# Altium PCB PCB - 焊接图.PcbDoc (continued)
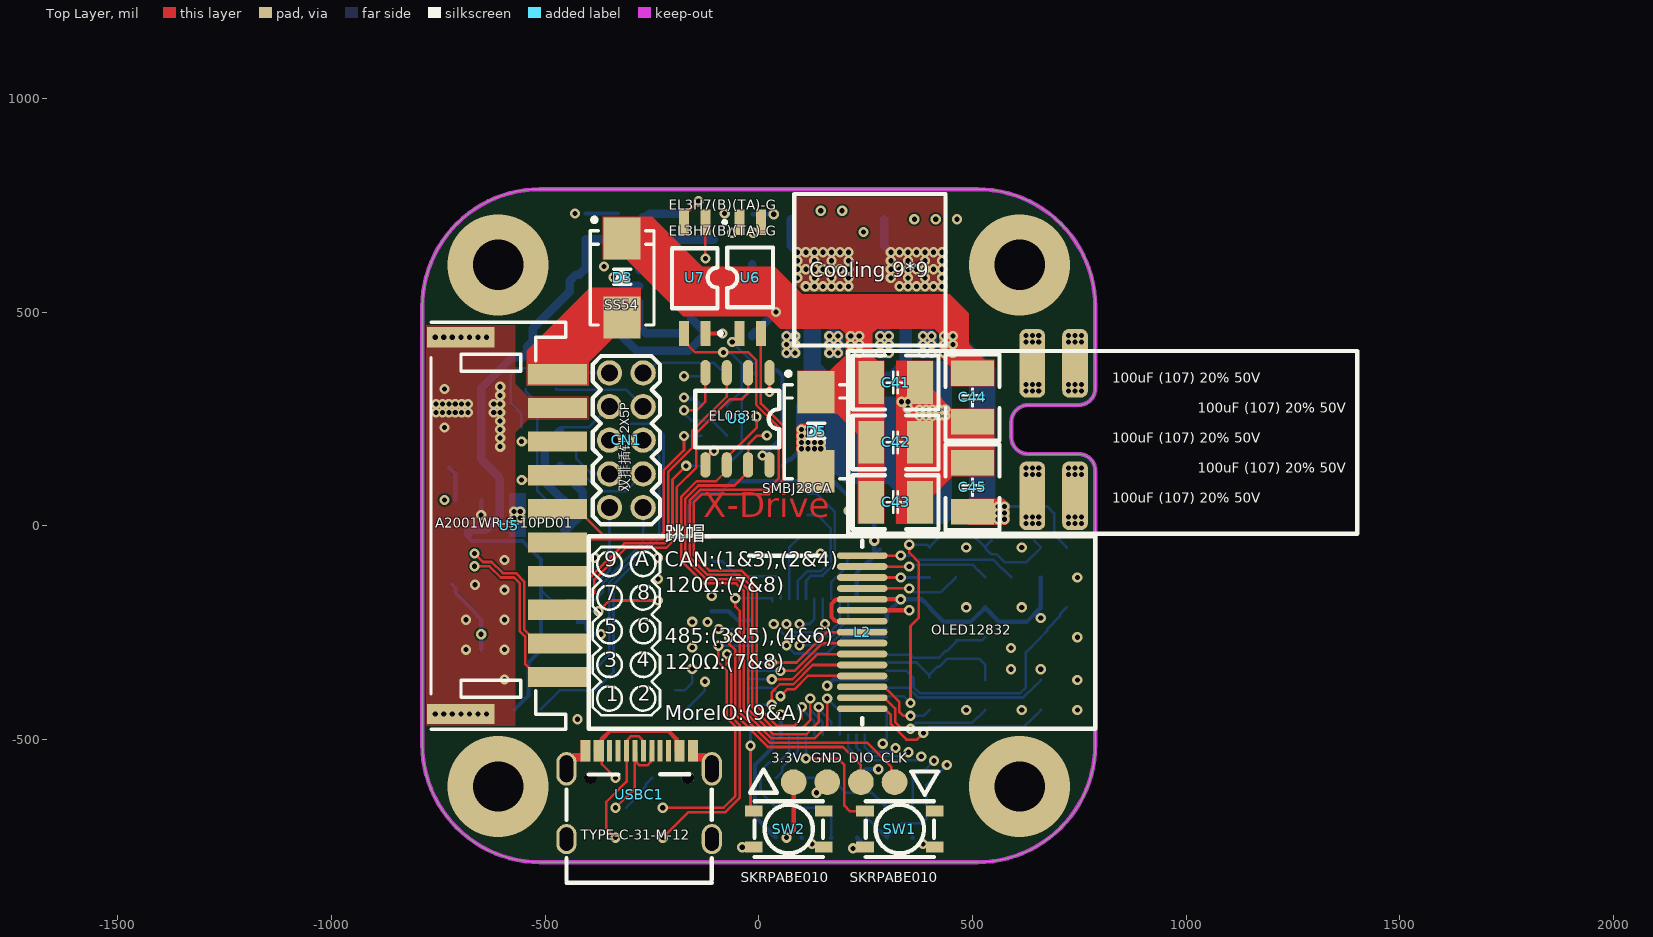
[diagram p0: Top Layer view]
## Part data
C1 C2: library part "0603 20pF (200) 5% 50V", "贴片电容", Package=0603, SuppliersPartNumber=C1648, ComponentLink1Description=供应商链接, ComponentLink1URL=http://www.szlcsc.com/product/details_2000.html, Supplier=LC
C3 C4 C5 C6 C7 C8 C9 C10 C11 C12 C13 C14 C16 C17 C18 C19 C21 C22 C27 C29: library part "0603 100nF (104) 10% 50V", "贴片电容", Package=0603, SuppliersPartNumber=C14663, ComponentLink1Description=供应商链接, ComponentLink1URL=http://www.szlcsc.com/product/details_15331.html, Supplier=LC
C15 C23 C28 C30 C35 C36 C37 C38: library part "0603 10uF (106) 10% 10V", "贴片电容", Package=0603, SuppliersPartNumber=C19702, ComponentLink1Description=供应商链接, ComponentLink1URL=http://www.szlcsc.com/product/details_20411.html, Supplier=LC
C20: library part "0603 100pF (101) 5% 50V", "贴片电容", Package=0603, SuppliersPartNumber=C14858, ComponentLink1Description=供应商链接, ComponentLink1URL=http://www.szlcsc.com/product/details_15530.html, Supplier=LC
C24: library part "1206 10uF (106) 10% 50V", "贴片电容", Package=1206, SuppliersPartNumber=C13585, ComponentLink1Description=供应商链接, ComponentLink1URL=http://www.szlcsc.com/product/details_14236.html, Supplier=LC
C25: library part "1206 4.7uF (475) 10% 50V", "贴片电容", Package=1206, SuppliersPartNumber=C29823, ComponentLink1Description=供应商链接, ComponentLink1URL=http://www.szlcsc.com/product/details_30577.html, Supplier=LC
C31 C32 C33 C34: library part "0603 1uF (105) 10% 50V", "贴片电容", Package=0603, SuppliersPartNumber=C15849, ComponentLink1Description=供应商链接, ComponentLink1URL=http://www.szlcsc.com/product/details_16531.html, Supplier=LC
C41 C42 C43 C44 C45 C46 C47 C48: library part Cap, "贴片电容", LatestRevisionDate=17-Jul-2002, LatestRevisionNote="Re-released for DXP Platform.", PackageDescription="Radial Cap, Thru-Hole; 2 Leads; 0.3 in Pin Spacing", PackageReference=RAD-0.3, Published=8-Jun-2000, Publisher="Altium Limited"
CN1: library part A2005WV-2X5P, "双排插针-2.0mm", BOM_Manufacturer="Changjiang Connectors", BOM_Manufacturer Part=A2005WV-2x5P, BOM_Supplier=LCSC, BOM_Supplier Part=C225290, Contributor=LCSC, spicePre=C, spiceSymbolName=A2005WV-2X5P
D1 D2: "双向ESD", BOM_Manufacturer=SINO-IC, BOM_Manufacturer Part=SESD3Z12C, BOM_Supplier=LCSC, BOM_Supplier Part=C355241, Contributor=LCSC, spicePre=D, spiceSymbolName=SESD3Z12C
D3: library part "SMA(DO-214AC) SS54", "二极管", Package=SMA(DO-214AC), SuppliersPartNumber=C22452, ComponentLink1Description=供应商链接, ComponentLink1URL=http://www.szlcsc.com/product/details_23178.html, Supplier=LC
D4 D6: library part "SOD-323 1N4148WS T4", "二极管", Package=SOD-323, SuppliersPartNumber=C2128, ComponentLink1Description=供应商链接, ComponentLink1URL=http://www.szlcsc.com/product/details_2485.html, Supplier=LC
D5: library part "SMB/DO-214AA P6SMB6.8CA", "TVS", Package=SMB/DO-214AA, SuppliersPartNumber=C78395, ComponentLink1Description=供应商链接, ComponentLink1URL=http://www.szlcsc.com/product/details_79530.html, Supplier=LC
F1 F2: library part "Fuse 2", "自恢复保险丝 200mA", LatestRevisionDate=17-Jul-2002, LatestRevisionNote="Re-released for DXP Platform.", PackageDescription="Thru-Hole; 2 Leads", PackageReference=PIN-W2/E2.8, Published=8-Jun-2000, Publisher="Altium Limited"
F3: library part "Fuse 2", "自恢复保险丝 500mA", LatestRevisionDate=17-Jul-2002, LatestRevisionNote="Re-released for DXP Platform.", PackageDescription="Thru-Hole; 2 Leads", PackageReference=PIN-W2/E2.8, Published=8-Jun-2000, Publisher="Altium Limited"
L1: library part IND, "贴片电感"
R1 R2 R9 R24: library part "0603 10KΩ (1002) 1%", "贴片电阻", Package=0603, SuppliersPartNumber=C25804, ComponentLink1Description=供应商链接, ComponentLink1URL=http://www.szlcsc.com/product/details_26547.html, Supplier=LC
R3 R4 R6 R7 R10 R14 R15 R17 R25: library part "0603 1KΩ (1001) 1%", "贴片电阻", Package=0603, SuppliersPartNumber=C21190, ComponentLink1Description=供应商链接, ComponentLink1URL=http://www.szlcsc.com/product/details_21904.html, Supplier=LC
R5 R8: library part "1206 0.1Ω (R100) 1%", "贴片电阻", Package=1206, SuppliersPartNumber=C25334, ComponentLink1Description=供应商链接, ComponentLink1URL=http://www.szlcsc.com/product/details_26077.html, Supplier=LC
R11 R13 R16 R18: library part "0603 200Ω (2000) 1%", "贴片电阻", Package=0603, SuppliersPartNumber=C8218, ComponentLink1Description=供应商链接, ComponentLink1URL=http://www.szlcsc.com/product/details_8708.html, Supplier=LC
R12: library part "0805 120Ω (1200) 1%", "贴片电阻", Package=0805, SuppliersPartNumber=C17437, ComponentLink1Description=供应商链接, ComponentLink1URL=http://www.szlcsc.com/product/details_18125.html, Supplier=LC
R19 R20: library part "0603 22Ω (22R0) 1%", "贴片电阻", Package=0603, SuppliersPartNumber=C23345, ComponentLink1Description=供应商链接, ComponentLink1URL=http://www.szlcsc.com/product/details_24078.html, Supplier=LC
R21: library part "0603 1.5KΩ (1501) 1%", "贴片电阻", Package=0603, SuppliersPartNumber=C22843, ComponentLink1Description=供应商链接, ComponentLink1URL=http://www.szlcsc.com/product/details_23570.html, Supplier=LC
R22 R23: library part "0603 12KΩ (1202) 1%", "贴片电阻", Package=0603, SuppliersPartNumber=C22790, ComponentLink1Description=供应商链接, ComponentLink1URL=http://www.szlcsc.com/product/details_23517.html, Supplier=LC
R26: library part "0603 1MΩ (1004) 1%", "贴片电阻", Package=0603, SuppliersPartNumber=C22935, ComponentLink1Description=供应商链接, ComponentLink1URL=http://www.szlcsc.com/product/details_23662.html, Supplier=LC
R27: library part "0603 2MΩ (2004) 1%", "贴片电阻", Package=0603, SuppliersPartNumber=C22976, ComponentLink1Description=供应商链接, ComponentLink1URL=http://www.szlcsc.com/product/details_23703.html, Supplier=LC
SW1 SW2: "4脚贴片按键", BOM_Manufacturer=ALPS, BOM_Manufacturer Part=SKRPABE010, BOM_Supplier=LCSC, BOM_Supplier Part=C115360, spicePre=S, spiceSymbolName=SKRPABE010
U1: "STM32 ARM-based 32-bit MCU Performance Line with 128 kB Flash, 20 kB Internal RAM, -40 to +85癈 Temperature, 48-Pin LQFP, Tray", ComponentLink1Description="Manufacturer URL", ComponentLink1URL=http://www.st.com/, ComponentLink2Description="STM32F103 Datasheet", ComponentLink2URL=http://www.st.com/internet/com/TECHNICAL_RESOURCES/TECHNICAL_LITERATURE/DATASHEET/CD00161566.pdf, ComponentLink3Description="STM32 Family Web Page", ComponentLink3URL=www.st.com/stm32, DatasheetVersion="rev13.0, Apr-2011", PackageDescription="48-Pin Low-Profile Quad Flat Pack, 7 x 7 mm Body, 0.5 mm Pitch (LQFP48)", PackageReference=LQFP48, PackageVersion="rev13, Apr-2011"
U2 U3: library part A4950ELJTR-T, "直流电机驱动器", BOM_LCSC Assembly=Yes, BOM_Manufacturer=ALLEGRO, BOM_Manufacturer Part=A4950ELJTR-T, BOM_Supplier=LCSC, BOM_Supplier Part=C82404, SMT Type=Extend, spicePre=U, spiceSymbolName=A4950ELJTR-T
U4: "磁角度传感器"
U5: "贴片PH2.0插座", BOM_Manufacturer=HR, BOM_Manufacturer Part=A2001WR-S-10PD01, BOM_Supplier=LCSC, BOM_Supplier Part=C278796, Contributor=LCSC, spicePre=U
U6 U7: library part EL357N(A)(TA)-G, "光耦", BOM_LCSC Assembly=Yes, BOM_Manufacturer=EVERLIGHT, BOM_Manufacturer Part=EL357N(A)(TA)-G, BOM_Supplier=LCSC, BOM_Supplier Part=C142286, Contributor=LCSC, SMT Type=Extend, spicePre=U, spiceSymbolName=EL357N(A)(TA)-G
U8: library part TLP2160(TP,F), "光耦", BOM_Manufacturer=TOSHIBA, BOM_Manufacturer Part=TLP2160(TP,F), BOM_Supplier=LCSC, BOM_Supplier Part=C393887, Contributor=LCSC, spicePre=U, spiceSymbolName=TLP2160(TP,F)
U9: library part SN75176BDR_[C7063], "RS-485/RS-422", Package=SOIC-8_150mil, SuppliersPartNumber=C7063, ComponentLink1Description=供应商链接, ComponentLink1URL=http://www.szlcsc.com/product/details_7535.html, Supplier=LC
U10: library part CAN/TJA1051T/3_[C38695], "CAN", Package=SOIC-8_150mil, SuppliersPartNumber=C38695, ComponentLink1Description=供应商链接, ComponentLink1URL=http://www.szlcsc.com/product/details_39678.html, Supplier=LC
U11: library part MP2451DT-LF-Z_[C14123], "DC-DC芯片", Package=SOT-23-6, SuppliersPartNumber=C14123, ComponentLink1Description=供应商链接, ComponentLink1URL=http://www.szlcsc.com/product/details_14780.html, Supplier=LC
USBC1: "TYPE-C USB插座", BOM_Manufacturer="Rectangular Connectors - Contacts", BOM_Manufacturer Part=TYPE-C-31-M-12, BOM_Supplier=LCSC, BOM_Supplier Part=C165948, Contributor=LCSC, spicePre=U, spiceSymbolName=TYPE-C-31-M-12
VR1: library part "SOT-23 XC6206P332MR", "低压差线性稳压(LDO)", Package=SOT-23, SuppliersPartNumber=C5446, ComponentLink1Description=供应商链接, ComponentLink1URL=http://www.szlcsc.com/product/details_5896.html, Supplier=LC
Y1: library part "SMD-3225_4P  12MHZ 20PF 10PPM", "贴片晶振", Package=SMD-3225_4P, SuppliersPartNumber=C9002, ComponentLink1Description=供应商链接, ComponentLink1URL=http://www.szlcsc.com/product/details_9522.html, Supplier=LC

## Free pads (board coordinates)
  rrect50% 60x160 smd: 3(640,70) 3(640,380) 3(740,70) 3(740,380)
  round 20 on Mid2 mask+4: 4(160,-65)
  round 60 smd: ""(81.43,-600) ""(160.17,-600) ""(238.91,-600) ""(317.65,-600)

## Via types
v1: diameter 24, hole 12, Top Layer to Bottom Layer, tented both sides, 340 vias
v2: diameter 236.22, hole 118.11, Top Layer to Bottom Layer, 4 vias

## Nets (pads, with @x,y where several pads share a name; then routed paths per layer and width w, separated by ;. In a path a pad name is that pad's centre, name@x,y a point inside that pad or via, vN(x,y) a via of type N, cw(c..) or ccw(c..) an arc to the next point about the centre after c; other vN are vias at no path point)
485_A: CN1.5 R23.1 U9.6 | length 963.7
  Bottom Layer w6: R23.1 -509.69,-429.02 -465.67,-385 U9.6 -382.56,-385 -340,-342.44 -340,-137.43 -223,-20.43 -223,213 -249,239 -310.37,239 CN1.5
485_B: CN1.6 R22.1 U9.7 | length 750.6
  Bottom Layer w6: R22.1 -509.69,-359.02 -494.38,-343.71 -493.39,-343.71 -484.69,-335 U9.7 -382.56,-335 -350,-302.44 -350,-133.28 -233,-16.28 -233,162.37 CN1.6
ALERT+: U5.9 U6.4 | length 1537.9
  Top Layer w6: v1(-665,-65) -645,-85 -625,-85 -598.82,-111.18 -588.68,-111.18 -568.68,-111.18 -549,-130.86 -549,-150.86 -549,-242.71 -516.12,-275.59 U5.9
  Layer 1 w6: v1(-665,-65) -625.32,-65 -581.46,-21.14 -534.92,-21.14 -505,8.78 -505,62.14 -441,126.14 -441,402.39 -399.89,443.5 -221.64,443.5 -195,470.14 -195,615.5 -152,658.5 -89.8,658.5 v1(-63,685.3)
ALERT-: U5.10 U6.3 | length 1687.8
  Top Layer w6: v1(-665,-95) -630.05,-95 -603.87,-121.18 -572.82,-121.18 -559,-135 -559,-247.24 -547,-259.24 -547,-323.45 -516.12,-354.33 U5.10 ; U6.3@-3.81,736.82 5,728.01 U6.3
  Layer 1 w6: v1(-665,-95) -645,-75 -621,-75 -577.14,-31.14 -530.78,-31.14 -495,4.64 -495,58 -431,122 -431,398.24 -395.74,433.5 -217.5,433.5 -185,466 -185,610 -146.5,648.5 -49.8,648.5 v1(-13,685.3)
BOOT0: R1.1 U1.44 | length 109.9
  Bottom Layer w6: U1.44 169.53,-131.49 207,-94.02 207,-80 R1.1@209.69,-77.31
BUTTON_DOWN: SW1.4 U1.20 | length 304.6
  Top Layer w6: v1(110,-545) 184.77,-545 200,-560.23 200,-655 212.68,-667.68 SW1.4
  Bottom Layer w6: v1@110.47,-549.45 U1.20
BUTTON_UP: SW2.4 U1.25 | length 232.6
  Top Layer w6: v1(-19.45,-515) -19.45,-659.92 SW2.4
  Bottom Layer w6: v1(-19.45,-515) U1.25
CAN_H: CN1.1 U10.7 | length 230.2
  Bottom Layer w6: U10.7 -370,-125 -349.37,-104.37 CN1.1
CAN_L: CN1.2 U10.6 | length 304.2
  Bottom Layer w6: U10.6 -384.8,-175 -365,-155.2 -365,-134.14 -270.63,-39.77 CN1.2
CAN_RX: U1.45 U10.4 | length 452.4
  Layer 1 w6: v1(-155.83,-225) -137.14,-206.32 -102.68,-206.32 -79,-230 -70.14,-230 -50.14,-250 45,-250 v1(65,-230)
  Bottom Layer w6: v1(65,-230) 84,-249 166.86,-249 189.21,-226.65 U1.45
CAN_SILENT: U1.2 U10.8 | length 915.5
  Layer 1 w6: v1(-384.17,-75) -364.17,-55 -212.86,-55 -185,-82.86 -185,-169.86 -169.79,-185.07 -86.79,-185.07 -61.86,-210 105,-210 115,-220 115,-260 v1(95,-280)
  Bottom Layer w6: v1(95,-280) 164.14,-280 202.72,-241.42 U1.2
CAN_TX: U1.46 U10.1 | length 638.2
  Layer 1 w6: v1(-235.83,-75) -207,-75 -195,-87 -195,-174 -172.68,-196.32 -89.69,-196.32 -66,-220 -56,-230 v1(35,-230)
  Bottom Layer w6: v1(35,-230) 64,-259 171,-259 208.9,-221.1 U1.46
COM_H: CN1.9 F1.2 U5.3 | length 472.9
  Top Layer w10: v1(-555,197) -470.99,197 U5.3
  Bottom Layer w6: F1.2 -555.99,230.99 -555.99,262.99 -580,287 -580,354 -566,368 -443.5,368 -432.91,357.41 -349.44,357.41 CN1.9 CN1.9@-358.89,367
COM_L: F2.2 U5.4 U7.2 | length 1128.9
  Top Layer w6: U7.2@-175,725.27 -175,728.01 -166.19,736.82 -163.45,736.82 v1(-141,759.27)
  Top Layer w10: v1(-555,107) -481.95,107 U5.4 ; U7.2 U7.2@-175,725.27
  Layer 1 w6: v1(-555,107) -474.28,107 -451,130.28 -451,385.5 -451,406.53 -404.03,453.5 -382.78,453.5 -225.78,453.5 -205,474.28 -205,619.64 -141,683.64 v1(-141,759.27)
DIR+: R16.1 U5.7 | length 519.3
  Top Layer w6: U5.7 -391.14,-118.11 -314.61,-41.57 -220.43,-41.57 -202,-23.14 -202,108 v1(-170,140)
  Bottom Layer w6: v1(-170,140) R16.1
DIR-: U5.8 U8.2 | length 837.5
  Top Layer w6: U5.8 -450.22,-176.23 -404.95,-176.23 -384.8,-156.09 -384.8,-125.91 -310.46,-51.57 -216.29,-51.57 -192,-27.28 -192,90.14 -146,136.14 -146,217 -67,296 -39,296 -25,310 U8.2
DM: R19.2 USBC1.A7 USBC1.B7 | length 327.2
  Top Layer w6: v1(-335.32,-730) -357,-708.32 -357,-646 -309.53,-598.53 USBC1.B7 ; USBC1.B7@-309.69,-526.56 -306.62,-523.49 -306.62,-500.07 -299,-492.44 -281,-492.44 -273.06,-500.38 -273.06,-523.82 USBC1.A7
DP: R20.2 R21.2 USBC1.A6 USBC1.B6 | length 342.5
  Top Layer w6: v1(-335.32,-660) -289.84,-614.52 USBC1.A6 -286.94,-529.63 -286.94,-553.06 -279,-561 -261,-561 -253.38,-553.38 -253.38,-529.95 USBC1.B6@-250.31,-526.88
  Bottom Layer w6: R20.2 -295.01,-644.69 -295.01,-640.01 -264.99,-609.99 -264.99,-605.31 R21.2
ENA+: CN1.10 R13.1 | length 219.1
  Bottom Layer w6: CN1.10 -263.18,357.48 -239.66,381 -104.7,381 -74.69,350.98 R13.1
GND: C1.1 C2.1 C3.2 C4.1 C5.1 C6.1 C7.1 C8.1 C9.1 C10.1 C11.1 C12.1 C13.1 C14.2 C15.2 C16.2 C17.2 C18.2 C22.1 C23.1 C24.1 C25.2 C27.1 C28.1 C29.1 C30.1 C33.1 C34.1 C35.1 C36.1 C37.1 C38.1 C41.1 C42.1 C43.1 C44.1 C45.1 C46.1 C47.1 C48.1 D1.1 D2.1 D4.1 D5.1 L2.6 pad.4 pad.@160.17,-600 R1.2 R5.2 R8.2 R10.2 R14.1 R22.2 R25.1 R27.1 SW1.1 SW1.2 SW2.1 SW2.2 U1.8 U1.23 U1.35 U1.47 U2.1 U2.9 U3.1 U3.9 U4.8 U5.0 U5.2 U8.5 U9.5 U10.2 U11.2 USBC1.0 USBC1.A1 USBC1.A12 USBC1.B1 USBC1.B12 VR1.1 | length 1432.7
  Top Layer w10: U8.5 -125,157.66 -107.54,175.13 v1(-105,175.13) ; USBC1.0@-109.92,-737.75 USBC1.0@-95.35,-752.33 ; L2.6 v1(352,-197.95)
  Top Layer w20: USBC1.0@-450.08,-568.75 -450.08,-560.37 -432.02,-542.31 USBC1.A1@-415.98,-542.31 ; USBC1.A12@-144.02,-542.31 -127.98,-542.31 USBC1.0@-109.92,-560.37 ; USBC1.0@-109.92,-737.75 USBC1.0@-109.92,-733.32
  Bottom Layer w6: v1(-94.01,-241.85) -93.8,-241.63 -19.67,-241.63 U1.35 ; U1.23@50.98,-489.02 U1.23
  Bottom Layer w10: v1(-649.68,25) C17.2 ; C23.1 C22.1 ; v1(-175.31,300) -172.64,297.32 -152.64,297.32 -149.61,294.29 -148.62,294.29 -135.31,280.98 R14.1 ; USBC1.0@-109.92,-733.32 -109.92,-735.05 -92.72,-752.25 USBC1.0@-90.99,-752.25 ; C25.2 v1(35,728.66) ; U1.23@51.42,-492 U1.23 v1(51.42,-442) ; C15.2 55.32,140.98 68.62,154.29 74.29,154.29 v1(100,180) ; C6.1@100.32,-730.98 C6.1 ; v1(159.84,-374.45) 174.76,-359.53 U1.8 ; U1.47 228.93,-170.2 228.93,-110.81 255.45,-84.29 257.01,-84.29 270.03,-71.27 270.03,-69.3 R1.2@270.32,-69.02 ; C11.1 230.32,-730.98 C11.1@243.62,-744.29 ; C9.1 230.32,-589.02 243.62,-575.71 244.61,-575.71 250.32,-570 v1(279.68,-570) ; R1.2 R1.2@270.32,-69.02 ; C37.1 C13.1 v1(270.32,-35) R1.2@270.32,-69.02 ; R1.2@283.62,-55.71 R1.2@270.32,-69.02 ; C12.1@360.32,-730.98 C12.1
  Bottom Layer w20: v1(-340,581.46) -338.92,581.46 -319.27,561.81 -281.93,561.81 U11.2 ; U3.1 75,655 v1(90,640) ; U2.1 294,655 v1(309,640)
  other v1: 220.58,-755 -38.69,-752.33 124.32,-745 384,-745 135,-625 -424.17,-453 -757.22,-440.94 -737.22,-440.94 -717.22,-440.94 -697.22,-440.94 -677.22,-440.94 -657.22,-440.94 -637.22,-440.94 485.31,-431 615.32,-431 745.32,-431 745.32,-361 -595.32,-360 590.32,-336 -685,-290 -595.32,-290 590.32,-286 745.32,-261 -685,-220 -595.32,-220 485.32,-191 615.32,-191 -110,-164.68 -595.27,-150.04 -664,-138.07 -235.83,-125 745.32,-121 -595.32,-80 144.17,-65 485.31,-51 615.32,-51 -573.12,18 -558.12,18 -573.12,33 -558.12,33 115,180 130,180 145,180 -605.32,185 100,195 115,195 130,195 145,195 -605.32,205 100,210 115,210 -605.32,225 100,225 115,225 -735.32,230 -605.32,245 376,257 391,257 406,257 421,257 436,257 -755.32,265 -740.32,265 -725.32,265 -710.32,265 -695.32,265 -680.32,265 -620.32,265 -605.32,265 376,272 391,272 406,272 421,272 436,272 348.66,275 -755.32,285 -740.32,285 -725.32,285 -710.32,285 -695.32,285 -680.32,285 -620.32,285 -605.32,285 333.66,290 348.66,290 -605.32,305 -735.32,320 -605.32,325 -757.22,440.94 -737.22,440.94 -717.22,440.94 -697.22,440.94 -677.22,440.94 -657.22,440.94 -637.22,440.94 110,560 130,560 150,560 170,560 190,560 210,560 329,560 349,560 369,560 389,560 409,560 429,560 90,580 130,580 170,580 210,580 309,580 349,580 389,580 429,580 90,600 110,600 130,600 150,600 170,600 190,600 210,600 309,600 329,600 349,600 369,600 389,600 409,600 429,600 -362,606.46 90,620 130,620 170,620 210,620 309,620 349,620 389,620 429,620 110,640 130,640 150,640 170,640 190,640 210,640 329,640 349,640 369,640 389,640 409,640 429,640 -430,730.32 -80,730.31
IN_AM: U1.14 U2.2 | length 1959.9
  Layer 1 w6: v1(350,-530) 346.65,-526.65 346.65,-515.65 310,-479 310,-308.28 400,-218.28 400,-4.72 156.28,239 -21,416.28 -21,608.72 77.28,707 206,707 216,717 v1(364,717)
  Bottom Layer w6: U1.14 228.58,-518.98 248.82,-539.21 340.79,-539.21 v1(350,-530)
IN_AP: U1.15 U2.3 | length 2077.9
  Layer 1 w6: v1(380,-540) 376.56,-536.56 376.56,-528.56 320,-472 320,-312.43 410,-222.43 410,-0.57 160.43,249 -11,420.43 -11,604.57 81.43,697 210.14,697 220.14,707 268,707 278,697 394,697 v1(414,717)
  Bottom Layer w6: U1.15 208.9,-518.98 239.13,-549.21 370.79,-549.21 v1(380,-540)
IN_BM: U1.12 U3.2 | length 1650
  Layer 1 w6: v1(145,737) 79,737 -41,617 -41,408 148,219 222,145 380,-13 380,-210 290,-300 v1(290,-510)
  Bottom Layer w6: v1(290,-510) 290,-506.93 299.45,-497.49 U1.12
IN_BP: U1.13 U3.3 | length 1739.2
  Layer 1 w6: v1(195,737) 175,717 73.14,717 -31,612.86 -31,412.14 -18.28,399.42 152.14,229 390,-8.86 390,-214.14 300,-304.14 300,-483.14 316.56,-499.7 316.56,-516.56 v1(320,-520)
  Bottom Layer w6: U1.13 248.27,-518.37 259.11,-529.21 310.79,-529.21 v1(320,-520)
IN_PWM_A: R6.1 U1.22 | length 226
  Bottom Layer w6: R6.1 39.69,-659.02 4,-623.33 4,-573.97 23.97,-554 46,-554 71.1,-528.9 U1.22
IN_PWM_B: R3.1 U1.21 | length 121.7
  Bottom Layer w6: R3.1 54.99,-574.69 54.99,-565.01 90.79,-529.21 U1.21
MES_H: CN1.3 CN1.7 D1.2 F1.1 | length 520
  Bottom Layer w6: CN1.3 -391.26,121.26 -427.5,157.5 -427.5,192.5 -440.89,205.89 -448,205.89 -465,222.89 F1.1 -398.11,230 CN1.7
  Bottom Layer w20: F1.1@-465,222.5 -501,186.5 -501,102.18 -458.82,60 D1.2
MES_L: CN1.4 D2.2 F2.1 R12.1 | length 794.9
  Bottom Layer w6: R12.1 -545.04,313.9 -518,286.86 -518,81.12 -454.88,18 D2.2 ; F2.1 -430.26,140 -371.26,81 -310.89,81 CN1.4
  Bottom Layer w20: F2.1 -465,132.5 -412,79.5 -412,28.94 -450.94,-10 D2.2
MT6816_CS: U1.38 U4.1 | length 230.4
  Bottom Layer w6: U4.1 -105.36,-83.81 -84.49,-83.81 -50.3,-118 42,-118 51.42,-127.42 U1.38
NetC9_2: C9.2 R3.2 R4.1 | length 229.5
  Bottom Layer w6: R3.2 C9.2 ; C9.2@169.68,-590.98 203.7,-625 264.69,-625 R4.1@285.39,-645.71
  Bottom Layer w10: C9.2@169.68,-590.98 C9.2 ; R4.1@285.39,-645.71 286.38,-645.71 299.69,-659.02 R4.1
NetC11_2: C11.2 R6.2 R7.1 | length 139.4
  Bottom Layer w6: R6.2 R7.1 C11.2
NetC19_1: C19.1 C21.1 U11.1 | length 158.4
  Bottom Layer w20: U11.1 -280.12,466.42 -264.68,450.98 C19.1 C21.1
NetC19_2: C19.2 C21.2 D4.2 L1.1 U11.6 | length 498.2
  Bottom Layer w20: L1.1 -418.75,451.25 -326.57,451.25 C19.2 ; D4.2 -340,510.2 -325.32,495.51 C19.2 ; U11.6 -160.04,522.6 -158.23,520.79 -158.23,484.53 -124.68,450.98 C21.2 -124.68,449.02 -164.7,409 -285.3,409 -325.32,449.02 C19.2
NetC20_2: C20.2 R24.1 R25.2 U11.3 | length 234.2
  Bottom Layer w20: U11.3 -280.12,645.55 -255.98,669.68 C20.2 ; C20.2@-254,669.68 C20.2 ; R25.2 C20.2
NetC25_1: C25.1 D6.2 R26.1 U11.5 | length 245.1
  Bottom Layer w20: U11.5 -168.07,558.19 -134.49,558.19 -105.98,529.69 R26.1 -101.61,533.07 -18.39,533.07 D6.2 C25.1
NetC31_1: C31.1 L2.2 | length 302.6
  Top Layer w6: L2.2 v1(352,-95.59)
  Bottom Layer w6: v1(352,-95.59) 355.44,-92.15 363.37,-92.15 364.51,-91 499.68,-91 513.39,-104.71 514.38,-104.71 529.68,-120.02 C31.1
NetC31_2: C31.2 L2.1 | length 370
  Top Layer w6: L2.1 v1(332,-70)
  Bottom Layer w6: v1(332,-70) 361.22,-70 371.22,-80 549.32,-80 574.02,-104.71 575.01,-104.71 590.32,-120.02 C31.2
NetC32_1: C32.1 L2.4 | length 237.2
  Top Layer w6: L2.4 v1(352,-146.77)
  Bottom Layer w6: v1(352,-146.77) 355.29,-146.77 364.51,-156 425.32,-156 444.02,-137.29 445.01,-137.29 460.32,-121.98 C32.1
NetC32_2: C32.2 L2.3 | length 157.8
  Top Layer w6: L2.3 v1(332,-121.18)
  Bottom Layer w6: v1(332,-121.18) 399.5,-121.18 C32.2
NetC33_2: C33.2 L2.14 | length 355.4
  Top Layer w6: L2.14 294.25,-402.68 319,-427.43 319,-459.86 334,-474.86 354.86,-474.86 v1(355,-475)
  Bottom Layer w6: v1(355,-475) 369,-461 499.68,-461 513.39,-447.29 514.38,-447.29 529.68,-431.98 C33.2
NetC34_2: C34.2 L2.15 | length 482.5
  Top Layer w6: L2.15 294.25,-428.27 309,-443.02 309,-464 345.38,-500.38 369.62,-500.38 v1(385,-485)
  Bottom Layer w6: v1@390,-481 400,-471 619.68,-471 643.39,-447.29 644.38,-447.29 659.68,-431.98 C34.2
NetCN1_8: CN1.8 R12.2 | length 221.4
  Bottom Layer w6: R12.2 -472.96,318 -309.89,318 CN1.8
NetL2_13: L2.13 R27.2 | length 205.5
  Top Layer w6: L2.13 294.09,-377.09 329,-412 329,-435.92 337.69,-444.61 354.61,-444.61 v1(355,-445) ; v1@356.56,-436.56 v1@360,-440
  Bottom Layer w6: v1@360,-445 385.68,-445 R27.2
NetR5_1: R5.1 U2.7 | length 174.7
  Bottom Layer w30: R5.1 297.24,345.91 310.91,345.91 344,379 U2.7
NetR8_1: R8.1 U3.7 | length 170.7
  Bottom Layer w40: U3.7 125,370.47 156.81,338.66 R8.1@170,338.66
NetR11_1: R11.1 U6.1 | length 126.2
  Bottom Layer w6: v1(-62.28,430) -7.05,374.78 -7.05,351.74 R11.1 -20.62,365.31 R11.1@-20.62,366.29
NetR13_2: R13.2 U7.1 | length 438.8
  Top Layer w6: v1(-125,625) U7.1
  Layer 1 w6: v1(-175,350) -175,605.86 -155.86,625 v1(-125,625)
  Bottom Layer w6: v1(-175,350) R13.2
NetR16_2: R16.2 U8.1 | length 288.1
  Top Layer w6: v1(25,313) U8.1
  Bottom Layer w6: R16.2 -74.68,140.98 -39.45,176.22 -39.45,298 -24.45,313 v1(25,313)
NetR18_2: R18.2 U8.4 | length 248.4
  Top Layer w6: v1(-175,270) -146,270 -125,291 U8.4
  Bottom Layer w6: v1@-175,263 -158,246 -109.7,246 -74.68,210.98 R18.2
NetR26_2: R26.2 U11.4 | length 67.8
  Bottom Layer w20: U11.4 -168.07,595.59 -110.28,595.59 R26.2
NRST: C3.1 R2.1 U1.7 | length 592.7
  Bottom Layer w6: U1.7 345.84,-339.84 362,-356 362,-377.9 376.1,-392 611.68,-392 625,-378.68 625,-296.67 659.68,-261.98 C3.1 674.99,-245.69 674.99,-241.4 705.01,-211.39 705.01,-206.31 R2.1
OLED_CS: L2.8 U1.31 | length 290.9
  Top Layer w6: v1(30.55,-320.16) 88.63,-320.16 159.66,-249.13 L2.8
  Bottom Layer w6: U1.31 v1(30.55,-320.16)
OLED_DC: L2.10 U1.29 | length 286
  Top Layer w6: v1(30.55,-359.53) 78.19,-359.53 137.4,-300.32 L2.10
  Bottom Layer w6: U1.29 v1(30.55,-359.53)
OLED_RES: L2.9 U1.30 | length 288.4
  Top Layer w6: v1(50.55,-339.84) 83.73,-339.84 148.85,-274.72 L2.9
  Bottom Layer w6: U1.30 v1(50.55,-339.84)
OSC_IN: C2.2 U1.5 Y1.3 | length 256.5
  Bottom Layer w6: U1.5 300.56,-301.58 354.59,-301.58 362,-309 421.58,-309 438.33,-292.25 441.86,-292.25 461.5,-272.61 Y1.3 522.99,-267.69 C2.2
OSC_OUT: C1.2 U1.6 Y1.1 | length 304.5
  Bottom Layer w6: U1.6 369.28,-320.16 Y1.1@398.5,-349.39 ; Y1.1 Y1.1@398.5,-349.39 ; C1.2 529.68,-325.18 515.97,-311.47 440.71,-311.47 422.44,-329.75 418.14,-329.75 Y1.1@398.5,-349.39
OUT_A+: pad.3@740,380 U2.6
  other v1: 725,315 740,315 755,315 725,330 740,330 755,330 384,404 404,404 384,424 404,424 725,430 740,430 755,430 384,444 404,444 725,445 740,445 755,445
OUT_A-: pad.3@640,380 U2.8
  other v1: 625,315 640,315 655,315 625,330 640,330 655,330 284,404 304,404 284,424 304,424 625,430 640,430 655,430 284,444 304,444 625,445 640,445 655,445
OUT_B+: pad.3@640,70 U3.6
  other v1: 625,5 640,5 655,5 625,20 640,20 655,20 625,120 640,120 655,120 625,135 640,135 655,135 165,404 185,404 165,424 185,424 165,444 185,444
OUT_B-: pad.3@740,70 U3.8
  other v1: 725,5 740,5 755,5 725,20 740,20 755,20 725,120 740,120 755,120 725,135 740,135 755,135 65,404 85,404 65,424 85,424 65,444 85,444
POWER_I: U1.11
POWER_U: C14.1 R9.2 R10.1 U1.10 | length 862.1
  Top Layer w6: v1(352,-44.41) 352,-63 374.68,-85.68 374.68,-215.32 355,-235 v1(355,-415)
  Bottom Layer w6: U1.10 338.9,-398.9 v1(355,-415) ; v1(352,-44.41) 393.09,-44.41 C14.1 399.68,-50.02 429.8,-19.9 498.58,-19.9 513.39,-34.71 514.38,-34.71 R10.1@529.69,-50.02 ; R10.1@544.99,-34.71 R10.1@529.69,-50.02 ; R9.2@644.38,-34.71 659.68,-50.02 R9.2 659.68,-51.98 625.67,-86 575.7,-86 556.99,-67.29 544.99,-67.29 529.69,-51.98 R10.1 R10.1@529.69,-50.02
PUL+: R18.1 U5.5 | length 556.2
  Top Layer w6: U5.5 -425.57,39.37 -364.62,-21.57 -228.72,-21.57 -222,-14.86 -222,130 -175,177 v1(-175,210)
  Bottom Layer w6: v1@-170.32,210 R18.1
PUL-: U5.6 U8.3 | length 700.9
  Top Layer w6: U5.6 -463.05,-31.57 -224.57,-31.57 -212,-19 -212,125.86 -156,181.86 -156,221.14 -75,302.14 U8.3
RS485_DIR: U1.3 U9.2 U9.3 | length 638.1
  Layer 1 w6: v1(-155.83,-335) -155.83,-362.17 -134,-384 -109.86,-384 -5.86,-280 v1(65,-280)
  Bottom Layer w6: U9.3 -173,-385 -155.83,-367.83 v1(-155.83,-335) ; v1(65,-280) 84,-299 159.28,-299 197.18,-261.1 U1.3
RS485_RX: U1.43 U9.1 | length 577.1
  Layer 1 w6: v1(-155.83,-285) -175,-304.17 -175,-357.14 -138.14,-394 -105.72,-394 -10.72,-299 105,-299 125,-279 125,-241 136,-230 v1(155,-230)
  Bottom Layer w6: U1.43 149.84,-224.84 v1(155,-230)
RS485_TX: U1.42 U9.4 | length 475.8
  Layer 1 w6: v1(-125.81,-364.92) -125.7,-364.81 -104.81,-364.81 0,-260 65,-260 v1(95,-230)
  Bottom Layer w6: U9.4 -175.16,-435 -126.08,-385.92 -126.08,-365.18 v1(-125.81,-364.92) ; v1(95,-230) 118.73,-230 130.16,-218.57 U1.42
SIGNAL_ALERT: U1.19 U6.2 | length 1442.5
  Top Layer w6: U6.2 5,286 57,234 57,107 24,74 -133,74 -152,55 -152,-68.75 -115.75,-105 -40.57,-105 -5,-140.57 -5,-421.01 41.79,-467.8 83.36,-467.8 100.79,-450.37 v1(100.79,-424.45)
  Bottom Layer w6: v1(100.79,-424.45) 100.79,-428.98 U1.19@130,-458.19 ; U1.19@130,-458.19 130,-489.29 U1.19 130.16,-458.35 U1.19@130,-458.19
SIGNAL_DIR: R15.2 U1.17 U8.7 | length 1176
  Top Layer w6: v1(18.8,210.88) 17.92,210 -5,210 -25,190 -25,126 -57,94 -117.84,94 -129.86,94 -141.28,94 -172,63.28 -172,51.86 -172,-77.04 -152,-97.04 -124.04,-125 -48.86,-125 -25,-148.86 -25,-429.29 33.51,-487.8 112.2,-487.8 140.16,-459.84 v1(140.16,-424.45)
  Bottom Layer w6: v1(140.16,-424.45) 140.16,-428.98 169.53,-458.35 U1.17@169.53,-465
SIGNAL_ENA: R14.2 U1.18 U7.3 | length 1804.9
  Top Layer w6: U7.3 -175,431.99 -148.72,405.7 v1(-83,405.7) -24.56,405.7 -6.19,387.33 -6.19,283.04 47,229.86 47,111.37 19.63,84 -125.72,84 -137.14,84 -162,59.14 -162,47.72 -162,-72.9 -142,-92.9 -119.9,-115 -44.72,-115 -15,-144.72 -15,-425.15 37.65,-477.8 97.2,-477.8 120.47,-454.53 v1(120.47,-404.45)
  Bottom Layer w6: v1(-83,405.7) -81.3,404 -65,404 -39.45,378.45 -39.45,316.22 -74.68,280.98 R14.2 ; v1(120.47,-404.45) 120.47,-431.63 149.84,-461 U1.18
SIGNAL_PUL: R17.2 U1.16 U8.6 | length 1288
  Top Layer w6: v1(-5.32,255) -5.32,228.79 -75,159.1 -75,128.83 -99.83,104 -134,104 -145.43,104 -182,67.43 -182,56 -182,-81.18 -162,-101.18 -128.18,-135 -53,-135 -35,-153 -35,-433.43 29.36,-497.8 130.36,-497.8 159.84,-468.32 v1(159.84,-404.45)
  Bottom Layer w6: v1(159.84,-404.45) 189.21,-433.82 U1.16
SPI1_MISO: U1.40 U4.6 | length 281.9
  Bottom Layer w6: U1.40 90.79,-129.21 113,-107 144.87,-107 168,-83.87 168,-6 137,25 U4.6
SPI1_MOSI: U1.41 U4.5 | length 327.7
  Bottom Layer w6: U1.41 110.47,-128.98 122.45,-117 149.02,-117 178,-88.02 178,32 135,75 U4.5
SPI1_SCK: U1.39 U4.7 | length 173.2
  Bottom Layer w6: U1.39 71.1,-51.4 97.5,-25 U4.7
SPI2_MISO: U1.27
SPI2_MOSI: L2.12 U1.28 | length 289.2
  Top Layer w6: v1(50.55,-398.9) 66.45,-383 83,-383 114.5,-351.5 L2.12
  Bottom Layer w6: U1.28 30.87,-379.21 v1(50.55,-398.9)
SPI2_SCK: L2.11 U1.26 | length 316.9
  Top Layer w6: v1(30.55,-418.58) 30.55,-389.45 49,-371 80.86,-371 125.95,-325.91 L2.11
  Bottom Layer w6: U1.26 v1(30.55,-418.58)
SWCLK: pad.@317.65,-600 U1.37 | length 811.3
  Top Layer w6: v1(-55,-170) -55,-189 -45,-199 -45,-437.57 25.22,-507.8 253.24,-507.8 309.97,-564.52 309.97,-592.32 pad.@317.65,-600
  Bottom Layer w6: v1(-55,-170) 31.18,-170 U1.37 U1.37@31.73,-176.97
SWDIO: pad.@238.91,-600 U1.34 | length 619.8
  Top Layer w6: v1(-69.45,-261.1) -69.45,-276.55 -55,-291 -55,-441.72 21.08,-517.8 196.47,-517.8 238.91,-560.23 pad.@238.91,-600
  Bottom Layer w6: v1(-69.45,-261.1) -20.55,-261.1 -20,-260.55 U1.34
USB_DM: R19.1 U1.32 | length 621.1
  Top Layer w6: v1(-224.69,-730) -164.69,-670 -78,-670 -44.72,-636.72 -44.72,-466.14 -65,-445.86 -65,-334.85 -74.45,-325.4 v1(-74.45,-300.47)
  Bottom Layer w6: v1(-74.45,-300.47) U1.32@-20.55,-300.47
USB_DP: R20.1 U1.33 | length 623.5
  Top Layer w6: v1(-224.69,-660) -82.14,-660 -54.72,-632.57 -54.72,-470.28 -75,-450 -75,-338.99 -94.45,-319.54 v1(-94.45,-280.79)
  Bottom Layer w6: v1(-94.45,-280.79) U1.33@-20.55,-280.79
VBUS: C17.1 F3.1 R21.1 USBC1.A4 USBC1.A9 USBC1.B4 USBC1.B9 | length 1391.7
  Top Layer w6: USBC1.B9@-367.68,-525.82 -367.52,-525.97 -367.52,-557.8 v1(-335.31,-590)
  Top Layer w10: USBC1.A4@-381.3,-525.81 USBC1.A4 ; USBC1.B9@-367.68,-525.82 -367.68,-499.68 -348.44,-480.44 -211.56,-480.44 -192.33,-499.67 -192.33,-525.81 USBC1.B4
  Layer 1 w20: v1(-735.32,60) -735.32,-347.68 -681,-402 -390.94,-402 -335.31,-457.63 v1(-335.31,-590)
  Bottom Layer w10: F3.1@-725,136.3 -710.32,121.61 C17.1
VCC: C41.2 C42.2 C43.2 C44.2 C45.2 C46.2 C47.2 C48.2 D3.2 D5.2 D6.1 R9.1 U2.5 U3.5 | length 328.3
  Bottom Layer w6: C48.2@522.09,35 C48.2 ; C48.2@543.66,36.81 C48.2@543.66,50 ; v1(575,45) 675,45 691,29 691,-20.7 720.32,-50.02 R9.1
  Bottom Layer w20: D6.1 -15,446.89 -8.66,453.23 -6.77,453.23 v1(40,500)
  other v1: 560,15 575,15 560,30 575,30 560,45 215,404 235,404 434,404 454,404 215,424 235,424 434,424 454,424 215,444 235,444 434,444 454,444
VCC_3.3: C4.2 C5.2 C6.2 C7.2 C8.2 C13.2 C15.1 C29.2 C30.2 C37.2 C38.2 L2.5 L2.7 pad.@81.43,-600 R2.2 R11.2 R15.1 R17.1 U1.1 U1.9 U1.24 U1.36 U1.48 U4.2 U4.4 U7.4 U8.8 U10.5 VR1.2 | length 6690.5
  Top Layer w10: U7.4 v1(-85,449.7) ; v1(64.68,-730) 81.43,-713.26 pad.@81.43,-600 ; L2.7 241.46,-223.01 179.01,-223.01 169.88,-213.88 169.88,-183.12 179.54,-173.46 240.9,-173.46 L2.5 v1(332,-172.36)
  Layer 1 w20: v1(-120,-225.32) -120.77,-226.08 -120.77,-241.05 -133.72,-254 v1(-369,-254) ; v1(-85,449.7) -115,419.7 -115,287.68 v1(8.68,164) ; v1(209.68,35) 115.68,129 43.68,129 v1(8.68,164) ; v1@659.68,-205 v1(659.68,-216) 659.68,-325 v1(659.68,-336) 659.68,-432.32 626,-466 550,-466 466,-550 466,-654 423,-697 125,-697 92,-730 v1(64.68,-730) 7,-730 -63,-660 -63,-534 -155,-442 -267,-442 -369,-340 v1(-369,-254) ; v1(-369,-254) v1(-649.68,-254) -649.68,-164.68 -598,-113 -531,-113 -442,-24 -250.5,-24 -62.5,164 v1(8.68,164)
  Bottom Layer w6: U1.9 349.17,-379.21 371.96,-402 618.68,-402 643.39,-377.29 644.38,-377.29 659.68,-361.98 C8.2
  Bottom Layer w10: VR1.2 -709.61,-145.87 -709.61,-156.91 -662.99,-203.53 -662.99,-206.69 C29.2 v1(-649.68,-254) C30.2 ; U10.5 -409.59,-225 -403.29,-231.29 -403.29,-242.71 -392,-254 v1(-369,-254) ; U4.2 -134.84,-25 -164.7,4.86 -164.7,45.14 -134.84,75 -91.99,75 -62.86,104.13 174.77,104.13 C37.2@208.9,70 ; C7.2 -70.39,-200.32 -48.98,-221.73 U1.36 U1.36@-19.8,-221.39 ; v1(8.68,164) 10.3,164 55.31,209.02 R15.1 R17.1 R11.2 55.32,350.98 R11.2@42.01,364.29 ; U1.24 31.73,-518.98 -9,-559.71 -9,-680.33 C6.2@39.68,-729.02 ; C13.2 v1(209.68,35) C37.2 ; U1.48 248.27,-171.53 249.1,-172.36 v1(332,-172.36) ; U1.1 299.45,-204.91 v1(332,-172.36) ; C5.2 C5.2@529.68,-191.98 ; C38.2 R2.2 659.68,-191.98 626.67,-225 562.7,-225 C5.2@529.68,-191.98 ; v1(332,-172.36) 381.05,-172.36 385.39,-176.71 386.38,-176.71 399.68,-190.02 C4.2 399.68,-191.98 432.7,-225 495.68,-225 515.39,-205.29 516.38,-205.29 C5.2@529.68,-191.98
VCC_5.0: C16.1 C18.1 C20.1 C22.2 C23.2 C24.2 C27.2 C28.2 C35.2 C36.2 F3.2 L1.2 R23.2 R24.2 U9.8 U10.3 VR1.3 | length 2102.6
  Top Layer w6: v1(-375,-200) -350,-175 v1(-235.83,-175)
  Bottom Layer w6: C36.2 -509.68,-150.98 -494.38,-166.29 -493.39,-166.29 -459.68,-200 v1(-375,-200)
  Bottom Layer w10: VR1.3 -680,-28.2 -672.2,-36 -552.7,-36 -509.68,-79.02 C18.1 C36.2 ; R23.2 -570.32,-429.02 -539,-397.7 -539,-320.3 -509.68,-290.98 C35.2 ; C36.2@-509.68,-150.98 C16.1 C35.2 ; U9.8 -504.69,-285 C35.2
  Bottom Layer w20: VR1.3 -680,-12.09 -677.2,-9.29 -637.29,-9.29 -606,22 -606,112 -649.68,155.68 C28.2 C27.2 -649.68,320.98 -576.1,394.57 -553.58,394.57 -541.34,406.81 C24.2 -529.09,432.24 -529.09,461.12 -442.5,547.71 -442.5,572.5 -427.5,587.5 L1.2 -405,602.5 C23.2 C22.2@-334,669.68 ; C22.2 C22.2@-334,669.68 ; R24.2 C20.1 -263.31,722.01 -270.99,722.01 -315.01,677.99 -325.69,677.99 C22.2@-334,669.68
VCC_IN: D3.1 U5.1
VREF_A: C12.2 R7.2 U2.4 | length 2204.5
  Layer 1 w6: v1(440,-560) 440,-527.15 430.44,-517.59 430.44,7.27 168.71,269 9,428.71 9,596.29 89.71,677 210,677 221,666 268,666 279,677 424,677 v1(464,717)
  Bottom Layer w6: R7.2@230.32,-660.98 C12.2@285.04,-715.71 ; C12.2 299.68,-729.02 314.99,-713.71 315.98,-713.71 333.68,-696 382.05,-696 392.05,-686 392.05,-607.95 v1(440,-560)
  Bottom Layer w10: R7.2@230.32,-660.98 R7.2 ; C12.2@285.04,-715.71 286.38,-715.71 C12.2@299.68,-729.02
VREF_B: C10.2 R4.2 U3.4 | length 1747.6
  Layer 1 w6: v1(245,687) 85.57,687 -1,600.43 -1,424.57 164.57,259 420,3.57 420,-518 410,-528 v1(410,-550)
  Bottom Layer w6: R4.2 C10.2 360.32,-589.02 375.62,-573.71 386.29,-573.71 v1(410,-550)
pads on no net: SW1.3 SW2.3 U1.4 U4.3 USBC1. USBC1.A5 USBC1.A8 USBC1.B5 USBC1.B8 Y1.2 Y1.4
copper on no net:
  other v2: -610.24,-610.24 610.24,-610.24 -610.24,610.24 610.24,610.24

## Polygon pours and split planes (outlines as drawn)
GND on Top Layer "GND_L01_P004" (solid, pour order 4): 78,574 104,548 442,548 442,770 78,770
GND on Top Layer "GND_L01_P003" (solid, pour order 3): -398,303 -398,248 -540.24,248 -570.32,217.92 -570.32,-468.32 -780,-468.32 -780,469 -570.31,469 -570.31,332.45 -540.86,303
GND on Layer 2 "GND_L03_P000" (solid, remove dead copper, pour order 0): -797.4,-511.81 -797.4,511.81 cw(c-521.81,511.81) -521.81,787.4 501.81,787.4 cw(c501.81,511.81) 777.4,511.81 777.4,-511.81 cw(c501.81,-511.81) 501.81,-787.4 -521.81,-787.4 cw(c-521.81,-511.81)

## Keep-outs
Keep-Out Layer:
  the board outline again, w10

## Other copper
Top Layer:
  rectangle net GND: -165.21,-552.29 -143.05,-501
  rectangle net VBUS: -196.71,-552.29 -174.55,-501
  rectangle net VBUS: -385.68,-552.29 -363.52,-501
  rectangle net GND: -417.18,-552.29 -395.02,-501
  pour cut-out: -160,160 160,160 160,-160 -160,-160
  region net VCC: 491,2 579,2 587,10 587,50 573.43,63.57 491,63.57
  region net VCC: 459.75,456 527.75,388 551,388 551,326 449,326 449,372 422,399 422,449 429,456
  region net GND: 347.06,386 408,386 408,318 452,274 551,274 551,116 454,116 408,70 408,4 321,4 321,386
  region net GND: 88,175 95,168 150,168 157,175 157,200 119,238 96,238 88,230
  region net VCC: 203,429 203,399 166,362 90,362 90,262 184,262 232,214 232,4 294,4 294,386 277,386 266,397 266,430.27 239.9,456 210,456 203,449
  region net VCC: -364.62,723 -249.76,723 -132.76,606 36.79,606 101.79,541 447,541 491,497 491,424 459,392 429,392 422,399 422,449 410,461 277,461 266,450 266,418 240,392 210,392 203,399 203,449 191,461 50,461 21,490 -176.63,490 -309.63,623 -364.62,623
  region net VCC_IN: -276,557 -276,457.94 -322.06,457.94 -398,382 -398,327 -543,327 -543,409.47 -395.47,557
  text "X-Drive" at -130,0 h100
Layer 1:
  pour cut-out: -160,160 160,160 160,-160 -160,-160
  region net OUT_B-: 90,456 97,449 97,421 415,103 688.5,103 713,127.5 713,140 720,147 760,147 767,140 767,115 718,66 386,66 53,399 53,449 60,456
  region net OUT_B+: 160,456 153,449 153,373 418,108 660,108 667,115 667,140 660,147 446,147 197,396 197,449 190,456
  region net OUT_A+: 372,367.48 392.48,347 688,347 713,322 713,310 720,303 760,303 767,310 767,335 714,388 423,388 416,395 416,449 409,456 379,456 372,449
  region net OUT_A-: 272,449 272,392 361,303 660,303 667,310 667,335 660,342 390,342 316,416 316,449 309,456 279,456
  region net GND: 304,652 297,645 297,575 324,548 434,548 441,555 441,645 434,652
  region net GND: 85,652 78,645 78,575 105,548 215,548 222,555 222,645 215,652
Layer 2:
  pour cut-out: -160,160 160,160 160,-160 -160,-160
Bottom Layer:
  rectangle net GND: -585,-26 -545.04,76
  pour cut-out: -160,160 160,160 160,-160 -160,-160
  region net GND: 438,385 451,372 451,17.47 438.53,5 320,5 320,80 302,98 201.76,98 180.76,119 97,119 97,166 88,175 88,285.32 104.68,302 351.59,302 372,322.41 372,385
  region net VCC: 492,2 579,2 587,10 587,50 573.43,63.57 492,63.57
  region net VCC: 422,449 422,399 429,392 459,392 492,359 492,4 553,4 553,369 466,456 429,456
  region net VCC: 422,399 429,392 459,392 466,399 466,449 456,459 456,483 432,483 432,459 422,449
  region net VCC: 203,399 210,392 240,392 247,399 247,449 237,459 237,483 213,483 213,459 203,449
  region net OUT_B-: 53,399 60,392 90,392 97,399 97,449 87,459 87,483 63,483 63,459 53,449
  region net OUT_A+: 372,399 379,392 409,392 416,399 416,449 406,459 406,483 382,483 382,459 372,449
  region net OUT_A-: 272,399 279,392 309,392 316,399 316,449 306,459 306,483 282,483 282,459 272,449
  region net OUT_B+: 153,399 160,392 190,392 197,399 197,449 187,459 187,483 163,483 163,459 153,449

## Silkscreen, mask and mechanical layers (free items; w line width, h text height)
Top Overlay:
  circle w6: c-349.35,-404.08 r28.78
  circle w6: c-270.61,-404.08 r28.78
  circle w6: c-270.61,-246.6 r28.78
  circle w6: c-349.35,-246.6 r28.78
  circle w6: c-349.33,-167.82 r28.78
  circle w6: c-270.59,-167.82 r28.78
  circle w6: c-349.27,-89.14 r28.78
  circle w6: c-270.53,-89.14 r28.78
  circle w6: c-270.61,-325.34 r28.78
  circle w6: c-349.35,-325.34 r28.78
  lines w6: -369.16,-207.3 -388.78,-187.67 -388.78,-148.3 -369.1,-128.62 ; -369.07,-207.35 -388.75,-227.03 -388.75,-266.4 -369.13,-286.03 -369.51,-286.03 -388.79,-305.31 -388.79,-345.06 -369.11,-364.75 -369.11,-364.79 -388.75,-384.43 -388.75,-423.8 -369.07,-443.49 -250.96,-443.49 -231.27,-423.8 -231.27,-384.43 -250.94,-364.77 -231.27,-345.1 -231.27,-305.73 -250.93,-286.08 -250.93,-286.06 -231.27,-266.4 -231.27,-226.89 -250.81,-207.35 ; -369.04,-128.57 -388.67,-108.94 -388.67,-69.57 -368.98,-49.89 -250.87,-49.89 ; -250.96,-207.33 -231.3,-187.67 -231.3,-148.16 -250.84,-128.62 -231.19,-108.94 -231.19,-69.43 -250.73,-49.89
  lines w10: -20.67,-625 10.83,-570.45 42.33,-625 -20.67,-625 ; 82.67,421.67 437,421.67 437,776 82.67,776 82.67,421.67 ; 209,-19 209,409 1400,409 1400,-19 209,-19 ; 356.74,-575 419.74,-575 388.24,-629.55 356.74,-575
  text "Cooling 9*9" at 117.75,569.66 h60
  text "9" at -361.91,-107.29 h60
  text "A" at -288.91,-106.85 h60
  text "8" at -283.97,-184.86 h60
  text "7" at -361.97,-186.63 h60
  text "6" at -284,-263.64 h60
  text "5" at -362,-264.75 h60
  text "4" at -286,-342.29 h60
  text "3" at -362,-342.83 h60
  text "2" at -283.06,-421.31 h60
  text "1" at -358,-422.31 h60
  text "跳帽 / CAN:(1&3),(2&4) / 120Ω:(7&8) /  / 485:(3&5),(4&6) / 120Ω:(7&8) /  / MoreIO:(9&A)" at -220,-467.22 h60
  text "3.3V" at 29.09,-563.08 h40
  text "GND" at 122.15,-563.25 h40
  text "DIO" at 210.38,-563.25 h40
  text "CLK" at 286.13,-563.25 h40
Bottom Overlay:
  lines w10: 1203,60 1203,333 581,333 581,413 360,413 360,-472.8 2002,-472.8 2002,-8 1203,-8 1203,64 ; -1594,-476 -1594,479 -495.32,479 -495.32,372.76 -414,372.76 -414,-476 -1594,-476 ; -1200,860 -476,860 -476,407 42,407 42,860 1200,860 1200,1100 -1200,1100 -1200,860 ; -1178,-773 -1178,-547 -208,-547 -208,-773 -1178,-773 ; -175,99 169,99 169,-111.1 311,-111.1 311,50 348,87 348,425 831,425 831,358 1596,358 1596,140 2002,140 2002,647 831,647 831,516 54.25,516 54.25,391 -175,391 -175,99 ; -2,-773 -2,-547 2002,-547 2002,-773 -2,-773
Top Solder:
  text "X-Drive" at -130,0 h100
Bottom Solder:
  text "IVES & REIN" at 345,125 h45
Mechanical 15:
  lines w10: -826.77,-551.18 ccw(c-551.18,-551.18) -551.18,-826.77 ; -826.77,551.18 cw(c-551.18,551.18) -551.18,826.77 ; 551.18,-826.77 ccw(c551.18,-551.18) 826.77,-551.18 ; 551.18,826.77 cw(c551.18,551.18) 826.77,551.18